# KiCad board FetsAndCrosses.kicad_pcb (continued)
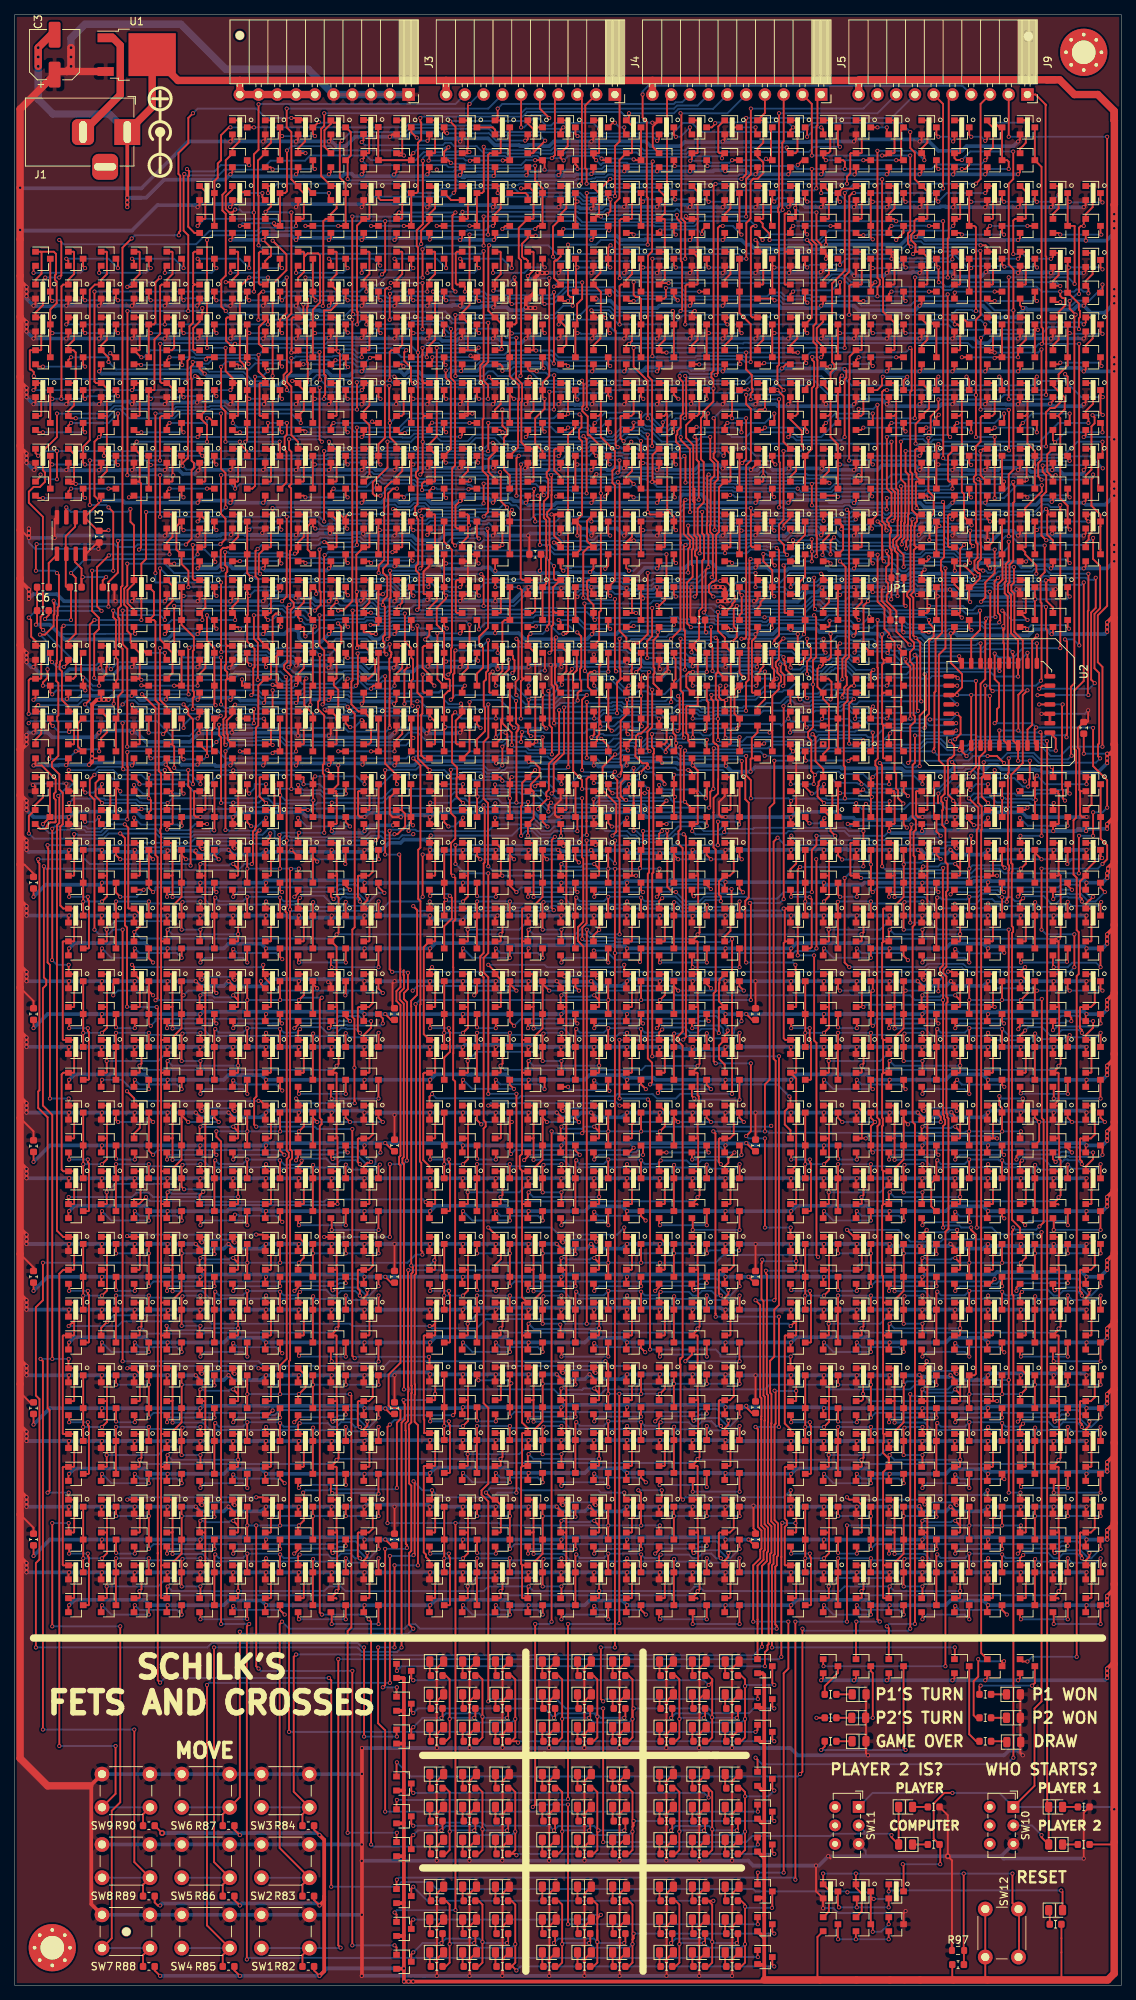
[diagram p0: board, top side]
## Routing (per net, layer and track width the routed paths; a pad name or vN(x,y) marks a point on that pad's centre or on a via; arc(x,y) is an arc through that point) (continued)
/Computer/10: length 544.6
  Top w0.25: Q95.3 129.27,99.08 ; 129.27,99.08 129.29,99.06 ; 129.27,99.08 Q96.3 ; Q98.3 133.72,97.81 v1(133.73,97.79) ; Q113.1 136.16,97.68 v1(136.27,97.79) 136.94,98.45 136.94,101.2 136.86,101.28 Q111.1 ; 136.27,101.39 Q111.1 ; Q111.1 136.16,102.51 135.07,103.6 135.07,142.44 135.22,142.59 135.22,143.16 135.04,143.35 135.04,150.69 135.12,150.78 135.12,151.73 134.96,151.9 134.96,163.85 136.52,165.42 136.52,174.62 v1(137.16,175.26) ; v1(12.7,219.71) 12.7,220.29 Q469.1 11.7,221.94 12.48,222.72 12.48,225.66 12.4,225.74 Q470.1 ; v1(34.92,236.13) 36.8,234.26 36.8,232.12 34.92,230.25 v1(34.92,217.84) 34.92,208.26 34.62,207.96 ; v1(101.73,96.71) 101.73,96.32 101.88,96.17 101.88,91.48 101.85,91.45 101.85,80.01 102.03,79.83 102.03,76.25 102,76.23 102,62.59 102.48,62.12 102.48,58.53 102.32,58.37 102.32,57.23 102.1,57.01 102.1,46.16 101.95,46.01 101.95,45.43 101.6,45.08 v1(101.6,43.18) ; v1(3.49,204.47) 3.49,204.2 Q449.1 ; v1(51.75,42.54) 51.7,42.59 Q1325.1 ; v1(132.05,188.61) 132.13,188.53 132.13,184.69 132.08,184.64 U2.10 132.08,175.52 v1(132.44,175.16) ; v1(3.18,207.01) 2.81,207.38 Q447.1 ; Q433.1 34.62,203.51 34.7,203.59 34.7,207.88 34.62,207.96 ; 34.62,207.96 Q434.1 34.24,207.64 v1(34.92,207.64) ; v1(57.04,243.31) 56.36,243.31 Q544.1 56.85,243.52 56.93,243.44 56.93,240.5 56.15,239.72 Q543.1 56.15,238.61 55.04,237.5 v1(55.04,235.68) ; v1(5.71,207.64) v1(5.71,203.83) ; v1(76.7,243.84) 76.82,243.96 76.82,255.29 J4.3 ; v1(96,207.01) 96.16,207.16 Q775.1 96.2,207.96 96.93,207.23 96.93,203.59 96.86,203.51 Q776.1 95.38,202.74 95.38,196.7 95,196.31 95,190.29 94.68,189.98 94.47,189.98 94.01,189.52 94.01,188.55 v1(94.61,187.95)
  Bottom w0.25: v1(136.27,97.79) v1(133.73,97.79) v1(129.29,97.79) 114.77,97.79 114.73,97.84 113.6,96.71 v1(101.73,96.71) ; v1(51.75,42.54) 52.39,43.18 v1(101.6,43.18) ; v1(5.71,203.83) 4.13,203.83 v1(3.49,204.47) ; v1(76.7,243.84) 68.33,243.84 68.15,243.67 57.4,243.67 v1(57.04,243.31) ; v1(3.18,207.01) 3.81,207.64 v1(5.71,207.64) v1(34.92,207.64) 35.53,207.04 42.18,207.04 42.33,207.19 63.68,207.19 63.83,207.04 64.4,207.04 64.97,207.61 68.36,207.61 68.37,207.6 77.81,207.6 78.27,208.06 79.21,208.06 79.85,207.43 82.37,207.43 82.53,207.27 89.03,207.27 89.35,207.58 95.43,207.58 v1(96,207.01) ; v1(34.92,236.13) 35.65,235.4 54.77,235.4 v1(55.04,235.68) ; v1(137.16,175.26) 132.54,175.26 v1(132.44,175.16) ; v1(132.05,188.61) 131.92,188.73 129.23,188.73 129.09,188.86 127.98,188.86 127.33,189.51 124.28,189.51 124.19,189.41 122.27,189.41 121.97,189.71 121.9,189.71 121.52,189.33 119.24,189.33 118.71,189.86 109.15,189.86 108.74,189.45 107.41,189.45 106.14,188.18 104.62,188.18 104.2,188.59 98.89,188.59 98.74,188.74 97.24,188.74 96.45,187.95 v1(94.61,187.95) ; v1(34.92,217.84) 34.19,217.1 32.25,217.1 30.97,218.38 26.32,218.38 25.69,219.01 25.41,219.01 25.33,219.1 23.85,219.1 23.45,218.7 13.71,218.7 v1(12.7,219.71)
/Computer/13: length 381.2
  Top w0.25: Q332.1 20.61,159.92 v1(20.7,160.02) ; v1(7.37,160.02) 7.37,159.38 7.27,159.29 Q331.1 ; v1(121.88,180.02) 122.19,179.72 122.19,172.64 v1(122.34,172.49) ; v1(70.88,159.22) 70.88,159.32 v1(72.26,160.71) 71.99,160.98 71.99,161.46 72.33,161.81 72.33,165.31 73.73,166.71 v1(73.73,172.57) ; Q1361.1 118.38,180.49 v1(118.21,180.32) ; v1(33.66,229.23) 33.44,229.23 33.02,228.82 33.02,225.42 v1(33,225.42) ; v1(37.46,161.92) 37.46,177.17 36.49,178.14 36.49,178.69 36.91,179.11 36.91,186.56 v1(37.18,186.84) ; v1(43.81,186.06) 44.45,186.06 45.72,187.32 v1(45.72,225.42) ; v1(99.7,254) 99.7,245.11 99.06,244.47 v1(99.06,239.39) ; v1(63.5,239.39) v1(63.5,235.46) ; v1(55.25,231.14) 55.22,231.16 v1(55.22,234.95) ; v1(127.91,179.87) 127.91,179.27 U2.13 ; v1(113.73,180.37) 113.94,180.58 Q1358.1
  Bottom w0.25: v1(7.37,160.02) 7.97,160.62 12.1,160.62 12.25,160.47 16.53,160.47 16.93,160.08 17.18,160.08 17.23,160.02 v1(20.7,160.02) 21.34,160.65 32.7,160.65 33.97,161.92 38.1,161.92 38.73,161.29 41.28,161.29 41.91,160.65 49.81,160.65 51.08,161.93 64.75,161.93 64.76,161.91 65.33,161.91 65.34,161.93 69.85,161.93 70.1,161.67 71.3,161.67 v1(72.26,160.71) ; v1(43.81,186.06) 43.18,186.69 40.64,186.69 40.22,187.11 37.46,187.11 v1(37.18,186.84) ; v1(63.5,235.46) 55.73,235.46 v1(55.22,234.95) ; 122.02,180.24 122.02,179.94 120.94,178.86 120.36,178.86 119.18,180.04 118.48,180.04 v1(118.21,180.32) 118,180.52 113.88,180.52 v1(113.73,180.37) ; 122.02,180.24 121.88,180.11 v1(121.88,180.02) ; 122.02,180.24 122.39,179.87 v1(127.91,179.87) ; v1(122.34,172.49) 122.06,172.21 113.38,172.21 112.79,172.8 112.22,172.8 111.93,172.51 108.42,172.51 108.17,172.26 106.48,172.26 106.23,172.51 101.39,172.51 100.78,171.9 95.64,171.9 95.52,172.02 94.95,172.02 94.8,171.87 92.67,171.87 92.33,172.21 89.92,172.21 89.19,171.48 87.98,171.48 87.84,171.62 87.84,171.7 87.19,172.35 82.28,172.35 81.87,172.77 81.29,172.77 81.14,172.62 79.59,172.62 79.27,172.3 74,172.3 v1(73.73,172.57) ; v1(70.88,159.22) 70.88,158.99 71.76,158.11 72.39,158.11 73.03,158.75 78.74,158.75 79.37,159.38 85.09,159.38 85.73,158.75 90.17,158.75 90.23,158.69 ; v1(99.06,239.39) 92.71,239.39 91.85,238.53 86.86,238.53 86.76,238.63 76.86,238.63 76.1,239.39 v1(63.5,239.39) ; v1(33,225.42) v1(45.72,225.42) ; 116.84,255.9 114.94,254 v1(99.7,254) ; v1(33.66,229.23) 46.74,229.23 47.64,230.14 49.16,230.14 50.17,231.14 v1(55.25,231.14)
/Computer/14: length 259.9
  Top w0.25: v1(104.14,215.9) 103.3,216.74 103.3,219.12 103.51,219.33 103.51,239.92 103.41,240.02 103.41,240.59 103.51,240.69 v1(103.51,253.36) ; v1(69.53,160.17) 69.5,160.14 Q984.1 ; U2.14 127.46,177.16 v1(127.7,176.92) ; 125.1,159.99 125.04,160.05 125.04,161.23 ; v1(99.06,215.26) 99.06,213.99 99.7,213.36 99.7,206.38 99.06,205.74 99.06,182.44 98.86,182.25 v1(98.42,182.25) ; v1(129.29,164.02) 130.17,164.91 v1(130.17,176.53) ; Q983.1 56.17,159.95 v1(56.27,160.05) ; 104.78,181.1 104.96,181.29 Q1357.1 105.09,181.29 v1(106.01,180.37) 106.05,180.41 v1(106.05,182.88) ; v1(67.95,160.08) 67.95,169.61 68.09,169.75 68.09,169.85 68.23,169.99 68.23,170.47 67.9,170.8 v1(67.9,173.83) ; v1(59.69,180.66) 59.54,180.51 59.54,177.57 59.37,177.41 59.37,176.84 59.38,176.84 59.38,174.31 v1(59.06,173.99) ; Q1355.1 109.54,181.34 v1(109.54,182.25) ; Q1355.1 109.49,180.64 109.76,180.37 v1(109.81,180.37) ; Q1355.1 109.43,181.29 109.22,181.08 ; v1(107.31,182.25) 107.31,181.51 107.82,181 107.82,179.68 107.31,179.17 v1(107.31,177.48)
  Bottom w0.25: v1(107.31,177.48) 108.05,176.75 109.44,176.75 110.66,177.97 110.85,177.97 111.12,178.25 112.43,178.25 113.7,176.98 122.62,176.98 122.76,176.84 123.88,176.84 124.24,177.2 127.43,177.2 v1(127.7,176.92) 128.1,176.53 v1(130.17,176.53) ; v1(109.81,180.37) 109.54,180.1 105.65,180.1 ; 105.65,180.1 105.74,180.1 v1(106.01,180.37) ; 105.65,180.1 105.23,180.52 93.79,180.52 93.31,181.01 83.11,181.01 82.96,181.16 65.34,181.16 64.83,180.66 v1(59.69,180.66) ; v1(67.9,173.83) 67.1,174.62 59.69,174.62 v1(59.06,173.99) ; v1(56.27,160.05) 59.09,160.05 59.66,160.62 60.99,160.62 61.54,160.08 62.98,160.08 63.47,160.56 65.43,160.56 65.97,160.02 69.38,160.02 v1(69.53,160.17) ; v1(106.05,182.88) 103.51,182.88 102.87,182.25 v1(98.42,182.25) ; v1(104.14,215.9) 103.51,215.26 v1(99.06,215.26) ; v1(103.51,253.36) 116.84,253.36 119.38,255.9 ; v1(129.29,164.02) 129.1,163.83 127.64,163.83 v1(125.1,161.29) ; v1(107.31,182.25) v1(109.54,182.25)
/Computer/15: length 340.8
  Top w0.25: Q1356.1 113.67,176.57 v1(113.67,175.89) 113.25,175.89 112.8,175.44 112.8,173.87 112.27,173.34 112.27,165.08 112.43,164.93 v1(112.43,160.65) ; v1(99.7,160.65) 99.7,163.11 99.06,163.74 v1(99.06,166.37) ; v1(14.61,186.06) 14.61,181.51 15.24,180.87 15.24,167.66 v1(15.22,167.64) ; v1(40.64,186.06) 41.42,186.84 41.42,188.61 41.28,188.76 v1(41.28,194.31) ; Q1349.1 118.38,176.16 v1(118.11,175.89) ; v1(77.47,242.57) v1(77.47,213.36) ; Q1022.1 118.4,160.15 v1(118.5,160.25) ; v1(80.65,244.47) v1(79.38,243.2) ; 46.33,203.22 46.36,203.2 ; 46.33,203.22 v1(46.33,210.82) ; 46.33,203.22 v1(46.33,194.94) ; v1(127.64,175.89) 126.51,175.89 ; Q1021.1 105.06,160.21 v1(105.16,160.3) ; v1(98.42,244.47) 99.06,245.11 v1(99.06,252.73)
  Bottom w0.25: v1(46.33,194.94) 46.06,194.67 41.64,194.67 v1(41.28,194.31) ; v1(113.67,175.89) v1(118.11,175.89) v1(127.64,175.89) ; v1(98.42,244.47) v1(80.65,244.47) ; v1(99.06,166.37) 90.17,166.37 89.54,167 88.9,167 87.63,168.27 85.73,168.27 85.09,167.64 84.45,167.64 83.91,168.18 81.82,168.18 81.28,167.64 70.48,167.64 69.12,169 66.77,169 66.04,168.27 55.88,168.27 54.61,169.54 53.34,169.54 52.07,168.27 36.83,168.27 36.2,168.91 32.6,168.91 32.51,168.82 27.85,168.82 v1(27.31,168.27) 26.67,167.64 v1(15.22,167.64) ; 121.92,255.9 118.74,252.73 v1(99.06,252.73) ; v1(77.47,213.36) 77.44,213.33 74.26,213.33 73.03,212.09 53.34,212.09 52.07,210.82 v1(46.33,210.82) ; v1(77.47,242.57) 78.74,242.57 v1(79.38,243.2) ; v1(99.7,160.65) 104.8,160.65 v1(105.16,160.3) 105.47,160.62 109.89,160.62 110.04,160.47 112.53,160.47 ; 112.53,160.47 112.43,160.57 v1(112.43,160.65) ; 112.53,160.47 112.64,160.59 114.24,160.59 114.34,160.49 115.57,160.49 115.96,160.1 118.35,160.1 v1(118.5,160.25) ; v1(14.61,186.06) 34.29,186.06 34.96,186.72 36.4,186.72 36.89,186.24 37.47,186.24 37.78,186.55 40.15,186.55 v1(40.64,186.06)
/Computer/17: length 189.2
  Top w0.25: v1(90.19,209.53) 90.19,209.14 91.44,207.89 v1(91.44,199.39) ; 110.62,174.66 110.62,176.42 110.19,176.84 Q1360.1 ; 110.62,174.66 110.62,174.16 v1(110.49,174.04) ; 110.62,174.66 110.62,174.27 ; 93.34,196.26 93.1,196.5 v1(93.1,199.42) ; 93.34,196.26 93.28,196.33 ; 93.34,196.26 93.34,193.04 93.11,192.81 93.11,186.46 92.69,186.03 92.69,182.25 Q337.1 ; 105.75,176.84 105.69,176.84 104.47,178.06 104.47,178.53 104.27,178.73 104.27,179.22 104.12,179.37 v1(104.12,179.76) ; 105.75,176.84 106.09,176.5 106.09,174.31 v1(106.36,174.04) ; 105.75,176.84 Q1352.1 ; v1(91.65,180.41) 91.73,180.48 Q337.1 ; v1(125.73,243.2) 125.73,254.63 124.46,255.9 ; v1(113.67,242.57) 113.45,242.57 113.03,242.15 113.03,231.94 112.39,231.3 v1(112.39,221.61) ; Q338.1 91.22,168.46 91.22,169.2 90.95,169.47 90.95,173.06 91.04,173.15 92.49,173.15 92.5,173.16 92.5,180.51 Q337.1 ; v1(85.73,212.09) 85.73,217.17 83.82,219.07 v1(83.82,221.61) ; U2.17 v1(127.64,173.35)
  Bottom w0.25: v1(91.65,180.41) 91.99,180.07 103.8,180.07 v1(104.12,179.76) ; v1(113.67,242.57) 125.1,242.57 v1(125.73,243.2) ; v1(106.36,174.04) 106.61,174.04 107.04,173.61 107.61,173.61 107.91,173.91 109.87,173.91 109.91,173.95 ; v1(83.82,221.61) v1(112.39,221.61) ; 109.91,173.95 110.45,173.95 111.4,174.9 112.38,174.9 112.49,174.79 113.79,174.79 114.02,174.56 126.43,174.56 v1(127.64,173.35) ; 109.91,173.95 109.99,174.04 v1(110.49,174.04) ; v1(90.19,209.53) 90.19,210.8 90.17,210.82 88.9,210.82 88.27,210.19 87.63,210.19 v1(85.73,212.09) ; v1(91.44,199.39) 91.47,199.42 v1(93.1,199.42) 93.08,199.39
/Computer/18: length 213.8
  Top w0.25: Q978.1 140.62,159.92 v1(140.72,160.02) ; Q977.1 127.29,159.29 127.38,159.38 127.38,160.02 v1(127.11,160.29) 127.11,160.44 126.4,161.14 126.4,165.2 126.36,165.25 126.36,165.82 126.67,166.13 126.86,166.13 127.24,166.51 127.24,167.82 v1(126.68,168.38) ; v1(113.81,171.42) 113.94,171.55 Q1351.1 ; v1(83.82,181.61) 84.45,181.61 85.73,182.88 v1(85.73,191.13) ; v1(121.92,231.14) 121.92,212.09 v1(121.9,212.09) ; v1(120.65,179.46) 120.65,179.07 121.29,178.44 121.29,171.47 v1(121.31,171.45) ; v1(92.64,201.07) 92.64,206.19 92.35,206.48 92.35,209.29 v1(92.08,209.56) ; U2.18 v1(127.64,172.08) 128.1,171.62 128.1,169.37 v1(127.36,168.63) ; 127,255.9 126.49,255.4 126.49,236.51 126.36,236.38 v1(126.36,231.14) ; v1(91.21,191.2) 91.21,194.43 91.44,194.66 91.44,195.57 90.61,196.4 90.61,200.81 v1(90.84,201.04) ; Q1354.1 118.38,171.72 v1(118.11,171.45) ; 123.83,171.18 v1(123.96,171.32)
  Bottom w0.25: 120.78,171.32 118.63,171.32 118.5,171.45 v1(118.11,171.45) 117.72,171.45 117.62,171.55 113.93,171.55 v1(113.81,171.42) ; 120.78,171.32 121.17,171.32 v1(121.31,171.45) 121.29,171.45 ; 120.78,171.32 v1(123.96,171.32) ; v1(91.21,191.2) 91.14,191.13 v1(85.73,191.13) ; v1(127.64,172.08) 126.87,171.32 v1(123.96,171.32) ; v1(121.9,212.09) 111.76,212.09 109.22,209.55 106.05,209.55 105.41,210.19 99.7,210.19 99.06,209.55 97.16,209.55 96.52,210.19 92.7,210.19 v1(92.08,209.56) ; v1(126.68,168.38) 126.94,168.63 v1(127.36,168.63) ; 127.66,159.74 127.97,160.04 129.52,160.04 130.27,160.79 132.27,160.79 132.98,160.08 137.36,160.08 137.69,159.75 140.44,159.75 v1(140.72,160.02) ; 127.66,159.74 v1(127.11,160.29) ; 127.66,159.74 127.38,160.02 ; v1(123.96,171.32) 124.33,171.32 ; v1(92.64,201.07) 90.87,201.07 v1(90.84,201.04) ; v1(126.36,231.14) v1(121.92,231.14) ; v1(83.82,181.61) 93.98,181.61 94.62,180.97 112.39,180.97 118.19,180.97 118.24,180.92 118.5,180.92 118.81,180.61 119.75,180.61 119.75,180.37 v1(120.65,179.46)
/Computer/19: length 236.2
  Top w0.25: Q1350.1 104.78,172.13 v1(104.78,171.45) ; v1(85.73,235.58) 85.73,241.94 85.6,242.06 85.6,252.22 85.03,252.79 v1(85.03,255.9) ; v1(79.32,170.37) 79.32,171.08 79.17,171.24 ; v1(59.69,217.8) 59.69,219.71 59.67,219.73 v1(59.67,226.06) ; v1(75.56,227.33) 75.56,228.51 75.22,228.51 74.93,228.8 v1(74.93,235.58) ; 79.17,171.24 79.17,178.53 79.31,178.67 79.31,181.07 79.09,181.29 Q1059.1 79.15,182.05 79.15,185.83 79.38,186.06 v1(79.38,201.93) 79.38,208.28 77.88,209.78 77.66,209.78 77.6,209.84 77.6,212.34 76.87,213.07 76.87,213.65 77.02,213.8 77.02,216.77 76.84,216.96 ; 79.17,171.24 79.17,169.29 78.85,168.98 78.85,168.42 Q1060.1 ; v1(109.33,171.4) 109.49,171.55 Q1348.1 ; U2.19 v1(127.5,170.81)
  Bottom w0.25: 103.83,170.5 v1(104.78,171.45) 105.18,171.05 108.98,171.05 v1(109.33,171.4) 112.95,171.4 113.54,170.8 114.04,170.8 114.33,171.1 115.22,171.1 115.6,170.72 121.59,170.72 121.69,170.81 123.57,170.81 123.85,170.54 127.22,170.54 v1(127.5,170.81) ; 103.83,170.5 103.62,170.72 85.82,170.72 85.54,171 81.74,171 81.14,170.4 79.35,170.4 v1(79.32,170.37) ; 103.83,170.5 103.82,170.5 ; 129.54,255.9 128.36,257.08 85.8,257.08 85.03,256.32 v1(85.03,255.9) ; v1(85.73,235.58) 81.92,235.58 81.28,236.22 79.38,236.22 78.74,235.58 78.11,235.58 ; v1(75.56,227.33) 74.3,227.33 73.03,226.06 v1(59.67,226.06) ; v1(59.69,217.8) 63.5,217.8 64.14,218.44 64.77,218.44 65.41,217.8 67.31,217.8 67.95,218.44 69.85,218.44 71.12,217.17 v1(76.84,217.17) ; v1(74.93,235.58) 78.11,235.58 ; 78.11,235.58 77.47,235.58
/Computer/20: length 341
  Top w0.25: v1(110.49,216.53) 110.49,218.27 111.01,218.8 111.01,219.37 110.7,219.69 110.7,230.33 112.42,232.05 v1(112.42,242.57) ; v1(27.94,173.35) v1(27.94,179.7) ; v1(21.59,180.97) v1(21.59,186.69) ; v1(64.11,207.64) 64.14,207.67 v1(64.14,211.45) ; v1(127.5,169.83) 127.21,169.54 U2.20 ; v1(32.39,170.81) v1(32.39,172.72) ; v1(118.55,169.44) 118.38,169.26 Q1359.1 ; Q1347.1 114.38,167.95 v1(114.93,168.51) ; Q376.1 42.83,159.95 v1(42.94,160.05) ; v1(36.2,187.32) 36.83,187.96 v1(36.83,198.75) ; v1(27.94,160.02) 27.94,168.91 27.68,169.17 27.68,170.59 v1(27.65,170.61) ; v1(41.91,198.12) 41.89,198.14 v1(41.89,207.64) ; v1(90.78,212.09) 90.81,212.09 90.93,212.22 90.93,217.68 v1(90.81,217.8) ; v1(29.59,160.05) 29.5,159.96 Q375.1 ; v1(130.17,243.84) 130.81,244.47 130.81,254.63 J9.3 ; v1(94.68,167.42) 94.62,167.36 v1(94.62,161.92) 94.19,161.5 94.19,159.53 v1(94.04,159.38)
  Bottom w0.25: v1(130.17,243.84) 113.67,243.84 112.42,242.59 v1(112.42,242.57) ; v1(27.94,179.7) 22.86,179.7 v1(21.59,180.97) ; v1(64.11,207.64) v1(41.89,207.64) ; v1(36.83,198.75) 41.28,198.75 v1(41.91,198.12) ; v1(32.39,172.72) 29.21,172.72 29.06,172.87 28.42,172.87 v1(27.94,173.35) ; 64.57,161.46 64.56,161.47 59.56,161.47 59.06,160.97 50.76,160.97 49.84,160.05 v1(42.94,160.05) 41.01,160.05 40.73,159.77 40.15,159.77 39.99,159.93 35.01,159.93 34.32,160.62 33.62,160.62 33.06,160.05 v1(29.59,160.05) 27.97,160.05 v1(27.94,160.02) ; 64.57,161.46 68.41,161.46 68.65,161.22 70.55,161.22 72.32,159.46 72.57,159.46 72.64,159.38 78.74,159.38 79.19,159.84 85.28,159.84 85.73,159.38 v1(94.04,159.38) ; 64.57,161.46 65.78,161.46 65.79,161.47 ; v1(27.65,170.61) 32.18,170.61 v1(32.39,170.81) ; v1(64.14,211.45) 77.47,211.45 78.1,210.82 79.38,210.82 80.65,212.09 84.84,212.09 85.44,212.69 86.01,212.69 86.33,212.38 86.33,212.13 87.63,210.82 88.26,210.82 89.53,212.09 v1(90.78,212.09) ; v1(90.81,217.8) 90.99,217.62 94.16,217.62 94.61,217.17 99.06,217.17 99.67,217.78 109.24,217.78 v1(110.49,216.53) ; v1(21.59,186.69) 34.29,186.69 34.93,187.32 v1(36.2,187.32) ; v1(127.5,169.83) 127.04,169.83 126.79,169.59 122.94,169.59 122.79,169.74 118.86,169.74 v1(118.55,169.44) 117.47,168.36 115.08,168.36 v1(114.93,168.51) 114.65,168.78 109.09,168.78 108.22,167.91 102.5,167.91 102.02,167.42 98.59,167.42 98.44,167.27 94.83,167.27 v1(94.68,167.42)
/Computer/21: length 189.7
  Top w0.25: v1(90.78,167.11) 90.62,166.96 90.62,160.32 v1(90.77,160.17) 91.73,159.21 Q382.1 ; v1(109.47,168.06) 109.47,167.97 Q1353.1 109.49,167.72 109.46,167.7 ; v1(147.32,167.64) 147.32,178.44 146.69,179.07 146.69,185.42 147.95,186.69 v1(147.95,250.19) ; Q1346.1 105.05,167.37 v1(105.41,167) ; 134.62,255.9 v1(134.62,250.19) ; v1(78.39,160.52) 78.39,160.51 Q381.1 ; v1(128.91,166.37) 128.27,167 U2.21 127.95,167.48 v1(127.95,167.16)
  Bottom w0.25: v1(78.39,160.52) 78.6,160.74 82.2,160.74 82.5,161.04 83.08,161.04 83.38,160.74 87.77,160.74 87.98,160.94 88.55,160.94 88.87,160.63 88.87,160.48 89.18,160.17 v1(90.77,160.17) ; 108.4,167.46 108.87,167.46 v1(109.47,168.06) ; 108.4,167.46 122.75,167.46 123.54,168.24 125.23,168.24 126.31,167.16 v1(127.95,167.16) ; 108.4,167.46 105.86,167.46 v1(105.41,167) 104.81,166.4 v1(101.57,166.4) 101,166.97 98.77,166.97 98.62,166.82 91.07,166.82 v1(90.78,167.11) ; v1(134.62,250.19) v1(147.95,250.19) ; v1(147.32,167.64) 142.88,167.64 141.6,166.37 140.33,166.37 139.06,167.64 130.17,167.64 v1(128.91,166.37)
/Computer/27: length 722.6
  Top w0.25: Q347.3 129.27,63.52 ; 129.27,63.52 129.29,63.5 ; 129.27,63.52 Q348.3 ; Q350.3 133.72,62.25 v1(133.73,62.23) ; v1(136.27,62.23) 136.16,62.12 Q365.1 136.86,61.27 136.94,61.35 136.94,65.64 136.86,65.72 Q363.1 ; 136.27,65.83 Q363.1 ; Q363.1 136.16,66.63 v1(136.21,66.67) ; v1(71.12,194.94) 71.12,201.35 v1(70.86,201.61) ; v1(102.87,181.64) 102.87,182.03 103.52,182.68 103.52,194.21 v1(103.2,194.53) ; 52.7,137.38 52.65,137.32 52.65,136.75 52.7,136.69 52.7,134.93 52.14,134.36 52.14,133.41 52.69,132.86 52.69,112.09 52.5,111.91 52.5,111.33 52.7,111.13 v1(52.7,80.64) ; v1(135.15,180.45) 135.15,180.06 135.25,179.95 135.25,168.43 U2.27 v1(135.89,165.73) ; v1(33.02,254.58) 33.02,248.44 32.39,247.8 v1(32.39,239.94) 32.41,239.92 v1(32.41,229.23) ; 12.4,207.96 12.48,208.04 12.48,212.48 ; 12.4,207.96 12.48,207.88 12.48,204.94 11.7,204.16 Q451.1 ; 12.4,207.96 Q452.1 12.07,207.59 v1(12.07,207.01) ; v1(137.48,165.73) 137.48,163.3 137.4,163.22 137.4,162.39 v1(137.25,162.24) ; 12.48,212.48 12.48,216.12 11.75,216.85 Q476.1 11,216.85 10.8,217.05 v1(10.8,229.23) ; 12.48,212.48 12.4,212.4 Q475.1 ; v1(112.71,49.21) v1(112.71,62.23) ; 29.44,239.94 29.48,239.9 Q539.1 29.48,239.72 ; 29.44,239.94 29.05,239.94 28.57,240.41 28.57,242.15 29.48,243.06 Q540.1 ; 29.44,239.94 v1(29.85,240.35) ; v1(121.44,157.1) 121.44,156.43 121.29,156.27 v1(121.29,143.83) ; v1(134.62,66.67) v1(134.62,142.88) ; v1(51.75,14.29) 51.7,14.24 Q1337.1 ; Q800.1 73.93,204.16 73.06,205.04 73.06,207.79 73.23,207.96 Q799.1 73.93,207.23 v1(73.67,206.96) ; 126.05,160.68 126.05,160.61 v1(126.1,160.56) 126.22,160.44 v1(126.22,157.45) ; v1(105.73,14.29) v1(105.73,49.21) ; v1(25.4,207.01) 25.04,207.38 Q458.1 25.74,207.96 25.81,207.88 25.81,203.59 25.74,203.51 Q457.1 ; v1(68.26,207.01) 67.95,206.69 v1(67.95,201.61)
  Bottom w0.25: v1(136.27,62.23) v1(133.73,62.23) v1(129.29,62.23) 114.77,62.23 114.73,62.28 114.68,62.23 v1(112.71,62.23) ; v1(10.8,229.23) v1(32.41,229.23) ; v1(103.2,194.53) 103.05,194.68 101.92,194.68 101.84,194.76 99.46,194.76 99.29,194.59 92.59,194.59 92.34,194.34 79.03,194.34 78.95,194.26 73.13,194.26 72.45,194.94 v1(71.12,194.94) ; v1(137.25,162.24) 136.52,162.24 135.39,163.38 128.92,163.38 v1(126.1,160.56) ; v1(12.07,207.01) v1(25.4,207.01) 25.82,206.59 42.36,206.59 42.51,206.74 63.49,206.74 63.64,206.59 64.59,206.59 65,207.01 73.62,207.01 v1(73.67,206.96) ; v1(52.7,80.64) 73.03,80.64 73.66,80.01 79.38,80.01 80.01,80.64 101.6,80.64 102.23,81.28 109.86,81.28 110.49,80.64 121.29,80.64 121.92,81.28 123.19,81.28 123.83,80.64 126.36,80.64 127,81.28 131.44,81.28 132.08,81.91 v1(134.62,81.91) ; v1(33.02,254.58) 33.08,254.63 59.69,254.63 60.96,255.9 ; v1(126.22,157.45) 125.87,157.1 v1(121.44,157.1) ; v1(105.73,14.29) 105.45,14.56 52.03,14.56 v1(51.75,14.29) ; v1(70.86,201.61) v1(67.95,201.61) ; v1(102.87,181.64) 110.43,181.64 111.38,182.59 112.68,182.59 113.22,182.06 114.56,182.06 114.67,182.18 116.28,182.18 116.58,181.88 120.22,181.88 120.36,181.74 120.36,181.27 120.84,180.79 122.35,180.79 122.66,180.48 131.21,180.48 131.57,180.84 134.75,180.84 v1(135.15,180.45) ; v1(136.21,66.67) v1(134.62,66.67) ; v1(32.39,239.94) 30.89,239.94 30.48,240.35 v1(29.85,240.35) ; v1(105.73,49.21) v1(112.71,49.21) ; v1(134.62,142.88) 125.1,142.88 124.14,143.83 v1(121.29,143.83) ; v1(137.48,165.73) v1(135.89,165.73)
/Computer/28: length 565.8
  Top w0.25: Q1117.3 80.38,134.64 ; 80.38,134.64 80.39,134.62 ; 80.38,134.64 Q1118.3 ; Q1120.3 84.82,133.37 v1(84.84,133.35) ; Q1135.1 87.27,133.24 v1(87.38,133.35) 88.04,134.01 88.04,136.76 87.97,136.84 Q1133.1 87.38,136.95 ; 122.13,194.62 121.76,194.26 121.76,188.62 121.32,188.18 121.7,187.8 121.7,182.67 v1(122.01,182.36) 122.64,181.73 122.64,173.92 v1(122.79,173.77) ; 122.13,194.62 Q728.1 ; 122.13,194.62 121.85,194.9 121.85,197.36 121.96,197.47 121.96,197.89 122.2,198.13 122.2,199 122.13,199.07 ; v1(50.17,23.49) 50.17,34.5 49.21,35.45 v1(49.21,45.72) ; 56.93,225.01 56.93,225.66 56.85,225.74 Q560.1 ; 56.93,225.01 56.93,228.94 v1(56.63,229.23) ; 56.93,225.01 56.93,222.72 56.15,221.94 Q562.1 55.8,220.94 v1(55.8,220.34) ; 43.52,221.29 43.59,221.37 43.59,225.66 43.52,225.74 Q584.1 ; 43.52,221.29 Q586.1 43.66,221.29 v1(43.81,221.14) ; 43.52,221.29 44.04,220.77 44.04,217.37 43.59,216.93 ; 70.26,221.37 70.26,221.36 70.37,221.25 v1(70.59,221.25) ; 70.26,221.37 70.26,225.66 70.19,225.74 Q554.1 ; 70.26,221.37 70.19,221.29 Q556.1 ; 100.6,24.44 100.6,23.54 v1(100.65,23.49) ; v1(52.07,239.94) 51.92,239.94 51.7,239.72 Q526.1 52.41,239.07 52.48,239.15 52.48,243.44 52.41,243.52 Q525.1 ; 43.59,216.93 43.52,216.85 Q590.1 ; 43.59,216.93 43.59,212.48 43.52,212.4 Q592.1 ; v1(59.69,229.23) 59.27,229.65 59.27,239.53 v1(59.69,239.94) ; Q727.1 122.13,199.07 ; 122.13,199.07 121.55,199.64 121.55,204.59 121.29,204.85 121.29,215.65 121.47,215.83 121.47,221.43 v1(121.29,221.61) ; v1(86.36,233.68) v1(86.36,220.49) ; v1(90.17,253.36) 90.28,253.25 90.28,239.15 90.81,238.63 v1(90.81,233.68) ; v1(104.11,173.11) 104.14,173.08 v1(104.14,147) ; v1(138.46,182.68) 137.79,182.01 137.79,170.59 137.16,169.95 U2.28 ; 99.69,146.61 v1(99.54,146.46) 99.7,146.31 v1(99.7,133.35) ; v1(54.28,132.79) 54.36,132.71 54.36,96.3 54.16,96.11 54.16,81.35 54.21,81.31 54.21,79.98 54.16,79.94 54.16,76.26 54.61,75.81 v1(54.61,56.83) ; v1(51.44,45.72) v1(51.44,56.83)
  Bottom w0.25: v1(99.54,146.46) 103.6,146.46 v1(104.14,147) ; v1(90.81,233.68) v1(86.36,233.68) ; 87,220.34 73.65,220.34 72.75,221.25 v1(70.59,221.25) 66.88,221.25 66.33,220.7 62.93,220.7 62.46,221.16 60.49,221.16 60.3,220.98 55.25,220.98 ; 87,220.34 92.16,220.34 92.33,220.52 98.64,220.52 98.77,220.38 98.9,220.38 98.93,220.34 107.08,220.34 107.75,221.01 120.68,221.01 v1(121.29,221.61) ; 87,220.34 86.51,220.34 v1(86.36,220.49) ; 55.25,220.98 55.25,220.73 54.9,220.38 52.35,220.38 51.79,220.95 46.39,220.95 45.92,221.42 44.09,221.42 v1(43.81,221.14) ; 55.25,220.98 55.25,220.9 v1(55.8,220.34) ; v1(104.11,173.11) 104.11,173.32 104.71,173.92 105.23,173.92 105.71,173.44 106.58,173.44 106.85,173.16 107.8,173.16 108.07,173.44 111.58,173.44 111.85,173.7 113.17,173.7 113.49,173.37 114,173.37 114.4,173.77 v1(122.79,173.77) ; v1(49.21,45.72) v1(51.44,45.72) ; v1(99.7,133.35) v1(87.38,133.35) v1(84.84,133.35) v1(80.39,133.35) 54.85,133.35 v1(54.28,132.79) ; v1(59.69,229.23) v1(56.63,229.23) ; v1(51.44,56.83) v1(54.61,56.83) ; 99.06,255.9 96.52,253.36 v1(90.17,253.36) ; v1(138.46,182.68) 137.9,182.11 131.2,182.11 131.1,182.21 130.52,182.21 130.37,182.06 124.61,182.06 124.39,181.83 123.21,181.83 122.69,182.36 v1(122.01,182.36) ; v1(100.65,23.49) v1(50.17,23.49) ; v1(59.69,239.94) v1(52.07,239.94)
/Computer/29: length 508.3
  Top w0.25: Q1159.3 129.27,134.64 ; 129.27,134.64 129.29,134.62 ; 129.27,134.64 Q1160.3 ; Q1177.1 136.16,133.24 v1(136.27,133.35) 137.16,134.24 137.16,135.89 136.21,136.84 Q1175.1 ; 136.27,136.95 Q1175.1 ; Q1175.1 136.16,137.11 v1(136.84,137.79) ; Q568.1 43.52,203.51 43.59,203.59 43.59,207.88 43.52,207.96 Q566.1 42.55,208.23 v1(42.55,208.91) ; v1(112.39,149.86) 112.39,138.43 v1(113.03,137.79) ; v1(138.78,102.7) 139.35,103.26 139.35,117.13 139.1,117.38 v1(139.1,133.5) ; v1(135.25,30.8) 135.25,93.35 135.07,93.53 135.07,102.02 135.22,102.17 v1(135.22,102.56) ; v1(83.19,253.36) 83.19,252.77 Q529.1 82.87,252.41 83.6,251.68 83.6,248.04 83.52,247.96 Q530.1 81.9,247.05 81.9,241.87 81.29,241.26 81.29,235.28 81.28,235.27 ; 81.28,235.27 81.28,235.2 ; 81.28,235.27 81.28,224 81.38,223.9 81.38,208.47 v1(81.66,208.2) ; v1(132.72,180.24) 132.72,176.79 133.31,176.19 133.31,172.99 133.03,172.72 133.03,171.13 v1(132.72,170.81) ; v1(141.6,200.34) 141.6,198.75 ; 141.6,198.75 141.6,199.93 ; 141.6,198.75 v1(141.6,180.97) ; v1(100.33,30.8) 100.6,30.53 Q1332.1 ; v1(122.55,207.01) 122.83,207.28 Q731.1 122.13,207.96 121.95,207.79 121.95,204.82 122.13,204.65 122.13,204.16 122.77,203.51 Q732.1 122.13,203.51 122.04,203.43 122.04,200.43 122.15,200.32 v1(122.15,199.93) ; Q557.1 65.04,203.95 64.17,204.82 64.17,206.63 65.04,207.5 Q558.1 65.04,208.61 64.89,208.76 v1(64.74,208.76) ; Q1162.3 133.72,133.37 v1(133.71,133.37) ; U2.29 138.13,168.09 138.13,170.03 v1(138.33,170.24) ; v1(146.05,170.18) 146.05,165.01 147.95,163.11 v1(147.95,159.38) ; v1(144.14,155.57) 144.12,155.55 v1(144.12,150.5) ; v1(146.05,155.57) v1(146.05,158.75)